# Altium PCB UltraZohm_Analog_ADS5272.PcbDoc (part 3 of 4)
Units mm, origin at the board's own origin, x right, y up, seen from the top; angles counter-clockwise.
Board outline 156.02 x 100.09 mm, 6 copper layers (Top Layer, AGND, VCC, GND, Signal 1, Bottom Layer), stack 1.58 mm thick; 321 components, 279 nets, 1409 pads, 548 vias.
Unrouted connection lines stored in the file: 181.
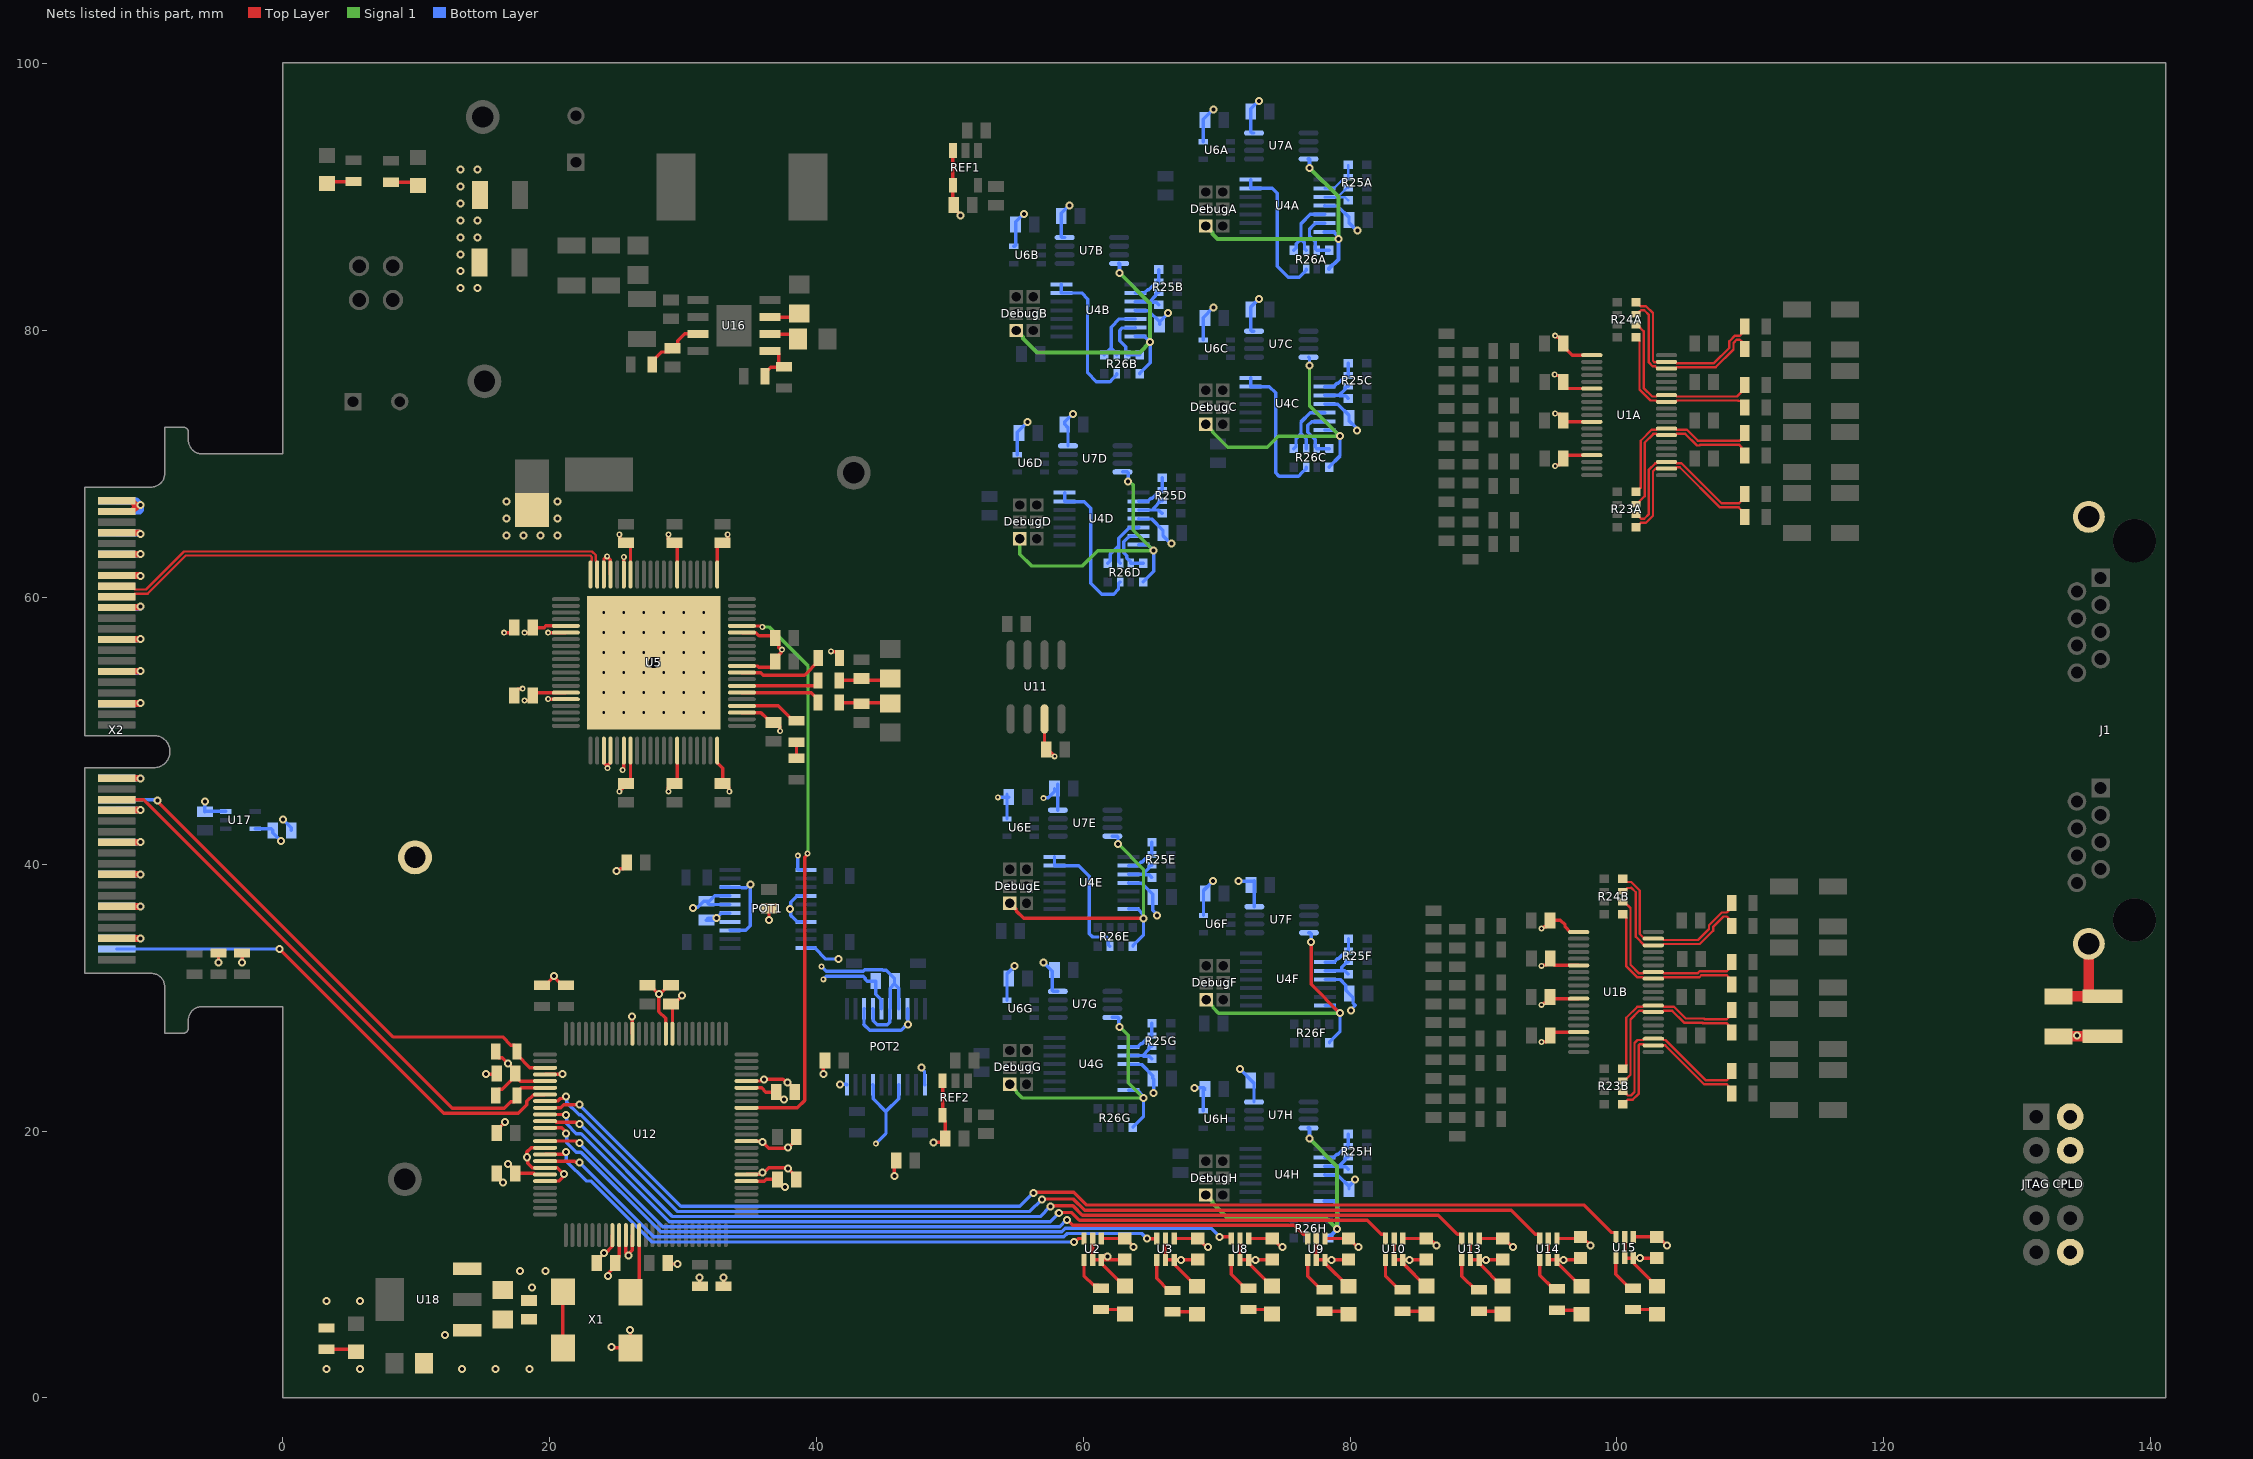
[diagram p7: the nets of this part, all layers, seen from the top]

## Via types
v1: diameter 0.6, hole 0.3, Top Layer to Bottom Layer, tented both sides, 338 vias
v2: diameter 0.45, hole 0.2, Top Layer to Bottom Layer, tented both sides, 182 vias
v3: diameter 0.45, hole 0.2, Top Layer to Bottom Layer, tented bottom, 16 vias
v4: diameter 0.5, hole 0.2, Top Layer to Bottom Layer, tented both sides, 6 vias
v5: diameter 0.8, hole 0.4, Top Layer to Bottom Layer, tented both sides, 4 vias
v6: diameter 0.45, hole 0.2, Top Layer to Bottom Layer, 2 vias

## Nets (pads, with @x,y where several pads share a name; then routed paths per layer and width w, separated by ;. In a path a pad name is that pad's centre, name@x,y a point inside that pad or via, vN(x,y) a via of type N, cw(c..) or ccw(c..) an arc to the next point about the centre after c; other vN are vias at no path point) (continued)
AVCC: BS2.2 C15.1 C16.1 C17.1 C18.1 C19.1 C20.1 C21.1 C22.1 C23.1 C36A.1 C36B.1 C37A.1 C37B.1 C38A.1 C38B.1 C39A.1 C39B.1 C40.1 C68A.1 C68B.1 C68C.1 C68D.1 C68E.1 C68F.1 C68G.1 C68H.1 C69A.1 C69B.1 C69C.1 C69D.1 C69E.1 C69F.1 C69G.1 C69H.1 C70A.1 C70B.1 C70C.1 C70D.1 C70E.1 C70F.1 C70G.1 C70H.1 C73.1 C76.1 POT1.1 POT1.10 POT1.13 POT1.18 POT2.1 POT2.10 POT2.13 POT2.18 R16.2 REF1.3 REF1.4 REF2.3 REF2.4 U1A.20 U1A.25 U1A.30 U1A.35 U1B.20 U1B.25 U1B.30 U1B.35 U4A.4 U4B.4 U4C.4 U4D.4 U4E.4 U4F.4 U4G.4 U4H.4 U5.1 U5.7 U5.14 U5.47 U5.54 U5.60 U5.63 U5.70 U5.75 U6A.5 U6B.5 U6C.5 U6D.5 U6E.5 U6F.5 U6G.5 U6H.5 U7A.8 U7B.8 U7C.8 U7D.8 U7E.8 U7F.8 U7G.8 U7H.8 U11.7 | length 166.6
  Top Layer w0.254: v2(25.222,45.447) 26.063,46.288 U5.47@26.063,48.518 ; v2(25.222,64.721) 25.257,64.686 25.257,64.362 25.53,64.089 C17.1@25.73,64.089 25.79,64.089 26.063,63.816 U5.14@26.063,61.718 ; v2(28.906,45.447) 28.906,45.782 29.179,46.055 C19.1@29.35,46.055 29.563,46.268 U5.54@29.563,48.518 ; v2(28.906,64.721) 28.906,64.362 29.179,64.089 C16.1@29.35,64.089 29.563,63.876 U5.7@29.563,61.718 ; U5.60@32.563,48.518 32.563,47.618 32.969,47.212 C20.1@32.969,46.055 33.169,46.055 33.442,45.782 33.442,45.482 v2(33.477,45.447) ; U5.1@32.563,61.718 32.563,63.816 32.836,64.089 C15.1@32.969,64.089 33.077,64.089 33.35,64.362 v2(33.35,64.721) ; U5.63@34.413,51.368 35.844,51.368 36.306,50.906 36.306,50.9 36.579,50.627 C21.1@36.779,50.627 36.979,50.627 37.252,50.354 37.252,50.024 v2(37.287,49.989) ; U5.70@34.413,54.868 34.422,54.859 35.571,54.859 35.661,54.769 36.63,54.769 36.903,55.042 C22.1@36.903,55.199 36.903,55.399 37.377,55.873 37.377,56.048 v2(37.414,56.085) 37.361,56.085 37.212,56.234 37.179,56.234 37.179,56.704 C23.1@36.906,56.977 36.753,57.13 35.692,57.13 35.463,57.359 34.422,57.359 U5.75@34.413,57.368 ; v2(41.097,55.958) 41.129,55.926 41.509,55.926 41.732,55.703 R16.2@41.732,55.453 ; v1(48.768,19.146) 49.384,19.146 49.657,19.419 C76.1@49.657,19.431 49.657,20.741 49.469,20.929 REF2.4@49.469,21.179 REF2.3@49.469,23.779 ; REF1.3@50.231,93.502 REF1.4@50.231,90.902 50.231,89.466 C73.1@50.289,89.408 50.289,89.208 50.8,88.697 v1(50.8,88.646) ; U11.7@57.099,50.894 57.099,48.846 v2(57.861,48.084) ; v2(94.361,26.67) 94.377,26.686 94.726,26.686 94.999,26.959 C39B.1@94.999,27.159 95.258,27.418 U1B.35@97.137,27.418 ; v2(94.361,29.464) 94.399,29.502 94.46,29.502 94.523,29.565 94.723,29.565 94.996,29.838 C38B.1@94.996,30.038 95.116,29.918 U1B.30@97.137,29.918 ; v2(94.361,32.385) 94.399,32.423 94.505,32.423 94.526,32.443 94.726,32.443 C37B.1@94.999,32.716 ; v2(94.361,35.179) 94.414,35.179 94.557,35.322 94.723,35.322 94.996,35.595 C36B.1@94.996,35.795 95.777,35.795 96.119,35.453 96.119,35.298 96.5,34.918 U1B.20@97.137,34.918 ; C37B.1@94.999,32.916 C37B.1@94.999,32.716 ; v2(95.339,76.708) 95.376,76.67 95.477,76.67 95.514,76.633 95.714,76.633 95.987,76.36 C37A.1@95.987,76.16 95.987,75.96 96.285,75.662 U1A.25@98.125,75.662 ; v2(95.377,69.85) 95.43,69.85 95.51,69.93 95.714,69.93 95.987,70.203 C39A.1@95.987,70.403 96.246,70.662 U1A.35@98.125,70.662 ; v2(95.377,73.787) 95.409,73.755 95.711,73.755 95.984,73.482 C38A.1@95.984,73.282 96.104,73.162 U1A.30@98.125,73.162 ; v2(95.377,79.629) 95.43,79.629 95.547,79.512 95.711,79.512 95.984,79.239 C36A.1@95.984,79.039 95.984,78.839 96.661,78.162 U1A.20@98.125,78.162 ; U1B.25@97.137,32.418 95.298,32.418 C37B.1@94.999,32.716
  Bottom Layer w0.254: POT1.18@32.869,38.281 POT1.18@33.519,38.281 33.542,38.258 34.381,38.258 34.395,38.244 34.73,38.244 34.967,38.481 v1(35.052,38.481) 35.052,35.389 34.705,35.042 33.529,35.042 POT1.13@33.519,35.031 ; v2(38.608,40.64) 38.608,39.604 38.631,39.581 POT1.1@39.219,39.581 ; POT1.10@39.219,33.731 39.869,33.731 40.707,32.893 v1(41.656,32.893) ; v1(41.783,23.495) 42.254,23.495 42.277,23.472 POT2.10@42.277,23.465 ; POT2.13@43.577,29.165 43.569,29.156 43.569,27.994 43.561,27.986 43.988,27.559 46.342,27.559 46.769,27.986 v1(46.863,27.986) 46.845,28.004 46.845,29.147 POT2.18@46.827,29.165 ; v1(47.879,24.765) 47.879,24.671 48.104,24.446 48.104,23.488 POT2.1@48.127,23.465 ; v2(53.594,45.013) C70E.1@54.285,45.013 ; U6G.5@54.285,29.805 54.285,31.806 v1(54.864,32.385) ; U6E.5@54.285,43.394 C70E.1@54.285,45.013 ; C70E.1@54.285,45.268 C70E.1@54.285,45.013 ; C70E.1@54.421,45.03 54.404,45.013 C70E.1@54.285,45.013 ; U6B.5@54.793,86.32 54.856,86.32 54.929,86.393 C70B.1@54.929,87.956 54.929,88.156 55.53,88.757 v1(55.552,88.757) ; U6D.5@55.047,70.699 55.047,72.377 v1(55.806,73.136) ; v1(57.023,32.639) 57.673,31.989 57.673,30.533 57.74,30.466 U7G.8@58.096,30.466 ; v2(57.023,44.958) 57.061,44.996 57.381,44.996 57.85,45.465 C69E.1@57.85,45.665 ; U7E.8@58.096,44.055 C69E.1@58.096,45.995 ; U7B.8@58.604,86.981 58.425,86.981 58.358,87.048 C69B.1@58.358,88.591 58.358,88.791 58.959,89.392 v1(58.981,89.392) ; U7D.8@58.858,71.36 58.858,72.724 C69D.1@58.612,72.97 58.612,73.17 59.183,73.741 v1(59.221,73.741) ; U4G.4@63.398,25.009 63.421,24.986 64.378,24.986 65.216,24.148 C68G.1@65.216,23.948 65.278,23.886 v1(65.278,22.86) ; U4E.4@63.398,38.598 63.421,38.575 64.378,38.575 65.216,37.737 C68E.1@65.216,37.537 65.216,36.556 65.532,36.24 v1(65.532,36.149) ; U4B.4@63.906,81.524 63.929,81.501 64.886,81.501 C68B.1@65.724,80.663 ; U4D.4@64.16,65.903 64.183,65.88 65.14,65.88 65.978,65.042 C68D.1@65.978,64.842 65.978,64.642 66.579,64.041 v1(66.601,64.041) ; C68B.1@65.724,80.463 C68B.1@65.724,80.663 ; v1(66.359,81.332) 66.359,81.298 C68B.1@65.724,80.663 ; v1(68.326,23.241) 69.038,23.241 C70H.1@69.128,23.151 68.992,23.015 U6H.5@68.992,21.515 ; U6C.5@68.992,79.3 68.992,80.977 v1(69.751,81.737) ; U6A.5@68.992,94.159 68.992,95.836 v1(69.751,96.596) ; U6F.5@69.017,36.155 69.017,38.029 v1(69.723,38.735) ; v1(71.628,38.735) 72.807,38.735 72.828,38.756 U7F.8@72.828,36.816 ; v1(71.755,24.638) 72.803,23.59 U7H.8@72.803,22.176 ; U7C.8@72.803,79.961 72.625,79.961 72.557,80.028 C69C.1@72.557,81.571 72.557,81.771 73.158,82.372 v1(73.18,82.372) ; U7A.8@72.803,94.82 72.625,94.82 72.557,94.887 C69A.1@72.557,96.43 72.557,96.63 73.158,97.231 v1(73.18,97.231) ; U4H.4@78.105,16.719 78.128,16.696 79.085,16.696 C68H.1@79.923,15.858 ; U4C.4@78.105,74.504 78.128,74.481 79.085,74.481 79.923,73.643 C68C.1@79.923,73.443 79.923,73.243 80.452,72.714 80.452,72.583 v1(80.518,72.517) ; U4A.4@78.105,89.363 78.128,89.34 79.081,89.34 79.923,88.498 C68A.1@79.923,88.298 79.923,88.098 80.524,87.497 v1(80.546,87.497) ; U4F.4@78.13,31.359 79.258,31.359 79.675,30.942 79.675,30.571 C68F.1@79.948,30.298 80.221,30.025 80.221,29.601 80.391,29.431 80.083,29.123 v1(80.083,29.029) ; C68H.1@79.923,15.658 C68H.1@79.923,15.858 ; v1(80.391,16.383) 80.391,16.326 C68H.1@79.923,15.858
  other v1: 13.335,88.265 14.605,88.265 13.335,89.535 13.335,90.805 13.335,92.075 14.605,92.075
COLLECTIVE_FLT: U12.82 X2.78 | length 38
  Top Layer w0.254: v1(-0.254,33.655) 12.065,21.336 17.653,21.336 18.288,21.971 18.288,22.225 18.796,22.733 19.651,22.733 U12.82@19.66,22.742
  Bottom Layer w0.254: X2.78@-12.453,33.642 -0.267,33.642 v1(-0.254,33.655)
CPLD_CLOCK: U12.12 X1.3 | length 4.5
  Top Layer w0.254: X1.3@26.067,7.92 26.71,8.563 U12.12@26.71,12.192
CS: U5.76 U12.42 | length 43.5
  Top Layer w0.254: U5.76@34.413,57.868 34.422,57.859 35.814,57.859 35.888,57.785 v2(35.941,57.785) ; U12.42@34.76,21.742 38.57,21.742 39.116,22.288 39.116,40.533 39.333,40.751 v2(39.333,40.804)
  Signal 1 w0.254: v2(35.941,57.785) 36.449,57.785 39.37,54.864 39.37,40.84 v2(39.333,40.804)
DVCC: "JTAG CPLD.4" BS1.1 C3.1 C4.1 C5.1 C6.1 C7.1 C9.1 C10.1 C11.1 C12.1 C24.1 C25.1 C30.1 C31.1 C32.1 C33.1 C34.1 C44.1 C53.1 C59.1 C63.1 C87.1 POT1.16 POT1.17 POT2.14 POT2.16 POT2.17 R1.1 R2.1 R12.1 R13.2 R21.1 R22.1 U2.4 U3.4 U5.25 U5.35 U8.4 U9.4 U10.4 U12.9 U12.31 U12.45 U12.59 U12.80 U12.94 U13.4 U14.4 U15.4 U17.5 U18.3 X1.1 X1.4 | length 81.9
  Top Layer w0.254: v1(-3.048,32.639) R13.2@-3.048,33.35 ; R21.1@15.958,22.663 15.958,22.913 16.181,23.136 16.453,23.136 C44.1@17.431,24.114 ; R22.1@15.958,25.965 15.958,25.715 16.181,25.492 16.453,25.492 v1(16.871,25.074) 17.431,24.514 C44.1@17.431,24.314 C44.1@17.431,24.114 ; v1(16.891,17.526) 16.925,17.526 17.431,17.021 C53.1@17.431,16.821 18.818,16.821 18.897,16.742 U12.94@19.66,16.742 ; v2(18.11,52.275) 18.472,52.275 18.745,52.548 C25.1@18.745,52.659 18.954,52.868 U5.35@21.213,52.868 ; v2(18.11,57.355) 18.472,57.355 18.745,57.628 C24.1@18.745,57.739 19.595,57.739 19.724,57.868 U5.25@21.213,57.868 ; R2.1@19.431,30.937 19.681,30.937 20.148,31.404 20.148,31.451 v1(20.32,31.623) 20.32,31.576 20.959,30.937 R1.1@21.209,30.937 ; U12.80@19.66,23.742 17.803,23.742 C44.1@17.431,24.114 ; X1.1@20.987,3.74 X1.4@20.987,7.94 ; v1(24.384,9.144) 24.384,9.347 24.927,9.89 C31.1@24.927,10.09 24.927,10.29 25.21,10.573 U12.9@25.21,12.192 ; U12.59@29.21,27.292 29.21,29.423 C34.1@29.115,29.518 29.315,29.518 29.916,30.119 v1(29.916,30.141) ; v1(31.242,9.017) 31.274,8.985 R12.1@31.274,8.363 ; U12.31@34.76,16.242 36.094,16.242 36.236,16.383 C32.1@37.081,16.383 37.081,16.183 37.354,15.91 37.444,15.91 37.56,15.794 v1(37.654,15.794) ; U12.45@34.76,23.242 34.768,23.233 35.888,23.233 36.205,22.917 C33.1@36.986,22.917 36.986,22.717 37.259,22.444 37.373,22.444 37.465,22.352 v1(37.559,22.352) ; U2.4@61.357,11.941 C3.1@63.119,11.941 63.169,11.941 63.754,11.356 v1(63.754,11.303) ; U3.4@66.818,11.941 C4.1@68.58,11.941 68.63,11.941 69.268,11.303 v1(69.342,11.303) ; U8.4@72.405,11.94 C5.1@74.167,11.94 ; C5.1@74.168,11.941 74.218,11.941 74.856,11.303 v1(74.93,11.303) ; U9.4@78.12,11.94 C6.1@79.882,11.94 ; C6.1@79.883,11.941 79.933,11.941 80.571,11.303 v1(80.645,11.303) ; U10.4@83.962,11.94 85.977,11.94 v1(86.487,11.43) ; U13.4@89.677,11.94 91.565,11.94 v1(92.202,11.303) ; U14.4@95.519,11.94 97.534,11.94 v1(98.044,11.43) ; U15.4@101.234,12.067 103.122,12.067 v1(103.759,11.43)
  Bottom Layer w0.254: U17.5@-2.065,42.657 -0.874,42.657 C87.1@-0.762,42.545 -0.762,42.345 -0.161,41.744 v1(-0.139,41.744) ; v1(30.734,36.703) 30.8,36.769 31.105,36.769 31.55,37.214 C10.1@31.75,37.214 ; POT1.16@33.519,36.981 31.983,36.981 C10.1@31.75,37.214 ; POT1.17@33.519,37.631 32.367,37.631 31.95,37.214 C10.1@31.75,37.214 ; v2(40.376,32.336) 40.727,31.984 43.504,31.984 43.616,32.096 44.955,32.096 45.008,32.043 45.249,32.043 45.85,31.442 C59.1@45.85,31.242 C59.1@45.85,31.042 ; POT2.14@44.227,29.165 44.25,29.142 44.25,28.267 44.552,27.965 45.317,27.965 45.504,28.152 45.504,29.142 POT2.16@45.527,29.165 45.527,30.719 C59.1@45.85,31.042 ; POT2.17@46.177,29.165 46.177,30.715 C59.1@45.85,31.042
  other v1: 18.669,8.255 17.78,9.525 19.685,9.525 13.335,83.185 14.605,83.185 13.335,84.455 13.335,85.725 13.335,86.995 14.605,86.995
FB: R35.1 R36.2 U16.5 | length 3.8
  Top Layer w0.254: R36.2@36.144,76.581 36.144,76.831 36.573,77.26 37.511,77.26 R35.1@37.554,77.303 37.395,77.303 37.172,77.526 37.172,78.297 36.999,78.47 U16.5@36.524,78.47
FB1A_N: R24A.3 R50A.1 U1A.17 | length 13.9
  Top Layer w0.178: R24A.3@101.445,81.217 101.545,81.217 101.706,81.378 101.706,81.423 101.81,81.527 102.061,81.527 102.404,81.184 102.404,77.612 102.687,77.329 102.875,77.329 103.042,77.162 U1A.17@103.725,77.162 104.408,77.162 104.506,77.26 107.409,77.26 108.746,78.597 108.746,79.084 108.984,79.323 109.236,79.323 109.34,79.218 109.34,78.887 R50A.1@109.601,78.626
FB1A_P: R24A.4 R51A.1 U1A.18 | length 13.8
  Top Layer w0.178: R24A.4@101.445,82.142 101.475,82.142 101.785,81.832 102.188,81.832 102.709,81.311 102.709,77.738 102.813,77.634 102.961,77.634 102.965,77.639 103.702,77.639 U1A.18@103.725,77.662 104.408,77.662 104.506,77.564 107.282,77.564 108.441,78.723 108.441,79.211 108.858,79.627 109.231,79.627 109.335,79.732 109.335,80.065 R51A.1@109.596,80.326
FB1B_N: R24B.3 R50B.1 U1B.17 | length 13.5
  Top Layer w0.178: R24B.3@100.457,37.973 100.557,37.973 100.802,38.218 101.083,38.218 101.092,38.227 101.417,37.902 101.417,34.571 102.07,33.918 U1B.17@102.737,33.918 103.42,33.918 103.518,34.015 106.22,34.015 107.216,35.011 107.216,35.298 107.997,36.078 108.248,36.078 108.352,35.974 108.352,35.643 R50B.1@108.613,35.382
FB1B_P: R24B.4 R51B.1 U1B.18 | length 13.5
  Top Layer w0.178: R24B.4@100.457,38.898 100.688,38.667 101.083,38.667 101.721,38.029 101.721,34.766 102.07,34.418 U1B.18@102.737,34.418 103.42,34.418 103.518,34.32 106.094,34.32 106.911,35.138 106.911,35.424 107.87,36.383 108.243,36.383 108.347,36.487 108.347,36.821 R51B.1@108.608,37.082
FB2A_N: R24A.1 R44A.1 U1A.12 | length 12.7
  Top Layer w0.178: R24A.1@101.445,79.492 101.475,79.492 101.706,79.261 101.706,75.586 102.532,74.76 102.944,74.76 103.042,74.662 U1A.12@103.725,74.662 104.408,74.662 104.506,74.76 109.079,74.76 109.115,74.724 109.34,74.724 109.601,74.463 R44A.1@109.601,74.238
FB2A_P: R24A.2 R45A.1 U1A.13 | length 13.4
  Top Layer w0.178: R24A.2@101.445,80.417 101.545,80.417 102.011,79.951 102.011,75.712 102.658,75.064 102.944,75.064 103.042,75.162 U1A.13@103.725,75.162 104.408,75.162 104.506,75.064 109.007,75.064 109.34,75.397 109.601,75.658 R45A.1@109.601,75.908
FB2B_N: R24B.1 R44B.1 U1B.12 | length 12.7
  Top Layer w0.178: R24B.1@100.533,36.068 100.667,36.068 100.718,36.017 100.718,32.342 101.544,31.515 101.957,31.515 102.054,31.418 U1B.12@102.737,31.418 103.42,31.418 103.518,31.515 106.166,31.515 106.327,31.676 108.248,31.676 108.352,31.572 108.352,31.255 R44B.1@108.613,30.994
FB2B_P: R24B.2 R45B.1 U1B.13 | length 13.5
  Top Layer w0.178: R24B.2@100.457,37.173 100.557,37.173 101.023,36.707 101.023,32.468 101.671,31.82 101.957,31.82 102.054,31.918 U1B.13@102.737,31.918 103.42,31.918 103.518,31.82 106.039,31.82 106.2,31.981 108.248,31.981 108.352,32.085 108.352,32.403 R45B.1@108.613,32.664
FB3A_N: R23A.3 R38A.1 U1A.7 | length 13.7
  Top Layer w0.178: R23A.3@101.445,66.993 101.545,66.993 101.706,67.154 101.706,67.204 102.097,67.595 102.097,71.618 102.739,72.26 102.944,72.26 103.042,72.162 U1A.7@103.725,72.162 104.408,72.162 104.506,72.26 105.137,72.26 106.005,71.392 106.201,71.392 106.243,71.434 109.189,71.434 109.335,71.288 109.335,70.893 R38A.1@109.596,70.632
FB3A_P: R23A.4 R39A.1 U1A.8 | length 12.9
  Top Layer w0.178: R23A.4@101.445,67.918 101.475,67.918 101.792,68.236 101.792,71.744 102.613,72.564 102.944,72.564 103.042,72.662 U1A.8@103.725,72.662 104.408,72.662 104.506,72.564 105.263,72.564 106.073,71.755 109.236,71.755 109.302,71.821 109.34,71.821 109.601,72.082 R39A.1@109.601,72.332
FB3B_N: R23B.3 R38B.1 U1B.7 | length 13.7
  Top Layer w0.178: R23B.3@100.457,23.749 100.557,23.749 101.023,24.215 101.023,28.368 101.671,29.015 101.957,29.015 102.054,28.918 U1B.7@102.737,28.918 103.42,28.918 103.518,29.015 104.149,29.015 105.038,28.127 106.413,28.127 106.454,28.086 108.243,28.086 108.347,27.982 108.347,27.649 R38B.1@108.608,27.388
FB3B_P: R23B.4 R39B.1 U1B.8 | length 13.1
  Top Layer w0.178: R23B.4@100.457,24.674 100.48,24.674 100.711,24.905 100.711,28.487 101.544,29.32 101.957,29.32 102.054,29.418 U1B.8@102.737,29.418 103.42,29.418 103.518,29.32 104.276,29.32 105.164,28.432 106.54,28.432 106.58,28.391 108.248,28.391 108.352,28.495 108.352,28.827 R39B.1@108.613,29.088
FB4A_N: R23A.1 R32A.1 U1A.2 | length 13.7
  Top Layer w0.178: R23A.1@101.445,65.268 101.475,65.268 101.805,65.599 102.188,65.599 102.709,66.12 102.709,69.453 102.98,69.724 103.042,69.662 U1A.2@103.725,69.662 104.408,69.662 104.503,69.757 104.724,69.757 107.73,66.751 109.14,66.751 109.601,66.29 R32A.1@109.601,66.04
FB4A_P: R23A.2 R33A.1 U1A.3 | length 13.7
  Top Layer w0.178: R23A.2@101.445,66.193 101.545,66.193 101.706,66.032 101.706,66.008 101.81,65.904 102.061,65.904 102.404,66.246 102.404,69.58 102.889,70.064 102.944,70.064 103.042,70.162 U1A.3@103.725,70.162 104.408,70.162 104.506,70.064 104.847,70.064 107.856,67.056 109.167,67.056 109.601,67.49 R33A.1@109.601,67.74
FB4B_N: R23B.1 R32B.1 U1B.2 | length 13.9
  Top Layer w0.178: R23B.1@100.457,22.024 100.487,22.024 100.818,22.355 101.2,22.355 101.633,22.787 101.633,26.411 101.737,26.515 101.957,26.515 102.054,26.418 U1B.2@102.737,26.418 102.742,26.422 103.626,26.422 106.555,23.493 108.248,23.493 108.352,23.389 108.352,23.057 R32B.1@108.613,22.796
FB4B_P: R23B.2 R33B.1 U1B.3 | length 14
  Top Layer w0.178: R23B.2@100.457,22.949 100.557,22.949 100.718,22.788 100.718,22.764 100.822,22.659 101.074,22.659 101.328,22.913 101.328,26.604 101.544,26.82 101.957,26.82 102.054,26.918 103.42,26.918 103.518,26.82 103.659,26.82 106.681,23.798 108.248,23.798 108.352,23.902 108.352,24.235 R33B.1@108.613,24.496
FGND: C80.2 J1.S1 J1.S2 R28.1 | length 7.3
  Top Layer w0.762: R28.1@133.096,30.099 C80.2@135.501,30.099 ; J1.S1@135.382,34.036 135.382,30.218 C80.2@135.501,30.099 ; C80.2@136.398,30.099 C80.2@135.501,30.099
GND: "JTAG CPLD.2" "JTAG CPLD.10" C3.2 C4.2 C5.2 C6.2 C7.2 C9.2 C10.2 C11.2 C12.2 C24.2 C25.2 C30.2 C31.2 C32.2 C33.2 C34.2 C44.2 C53.2 C55.2 C56.2 C57.2 C58.2 C59.2 C63.2 C72.2 C80.1 C86.2 C87.2 C88.1 C89.1 C90.1 C91.1 D4.2 D5.2 D6.2 D7.2 D8.2 D9.2 D10.2 D11.2 NT1.1 POT1.4 POT1.7 POT1.14 POT1.15 POT2.4 POT2.7 POT2.15 R11.1 R15.2 R28.2 R41.1 TP2.1 U2.2 U2.3 U2.5 U3.2 U3.3 U3.5 U5.15 U5.17 U5.18 U5.26 U5.36 U5.43 U5.44 U5.46 U5.81 U8.2 U8.3 U8.5 U9.2 U9.3 U9.5 U10.2 U10.3 U10.5 U12.8 U12.10 U12.11 U12.32 U12.37 U12.46 U12.60 U12.65 U12.79 U12.90 U12.93 U12.95 U13.2 U13.3 U13.5 U14.2 U14.3 U14.5 U15.2 U15.3 U15.5 U17.3 U18.1 X1.2 X2.1 X2.2 X2.3 X2.4 X2.7 X2.8 X2.11 X2.12 X2.15 X2.16 X2.21 X2.22 X2.27 X2.28 X2.33 X2.34 X2.39 X2.40 X2.45 X2.46 X2.51 X2.52 X2.57 X2.58 X2.63 X2.64 X2.69 X2.70 X2.75 X2.76 | length 196.5
  Top Layer w0.254: v1(-4.826,32.639) R15.2@-4.826,33.35 ; v1(15.24,24.257) 15.974,24.257 C44.2@16.031,24.314 ; C53.2@16.031,16.821 16.031,16.621 16.51,16.141 v1(16.51,16.129) ; C58.2@16.034,19.869 16.034,20.069 16.635,20.67 v1(16.657,20.67) ; v2(16.586,57.355) 17.072,57.355 17.345,57.628 C24.2@17.345,57.739 ; C25.2@17.345,52.659 17.345,52.859 17.618,53.132 17.951,53.132 v2(17.983,53.164) ; U12.95@19.66,16.242 19.668,16.251 20.696,16.251 21.082,16.637 v1(21.082,16.764) 21.057,16.764 20.588,17.233 19.668,17.233 U12.93@19.66,17.242 19.651,17.251 18.69,17.251 18.354,17.587 18.354,17.968 v1(18.288,18.034) 18.266,18.056 18.266,18.393 18.606,18.733 19.651,18.733 U12.90@19.66,18.742 ; U12.79@19.66,24.242 19.667,24.249 20.947,24.249 v1(20.955,24.257) ; v2(19.888,52.389) 19.9,52.377 21.204,52.377 U5.36@21.213,52.368 ; v2(19.888,57.355) 19.895,57.362 21.207,57.362 U5.26@21.213,57.368 ; C31.2@23.527,10.09 23.527,10.29 v1(24.087,10.85) 24.189,10.85 24.701,11.362 24.701,12.183 U12.8@24.71,12.192 ; U5.43@24.063,48.518 24.063,47.606 24.296,47.373 24.296,47.233 v2(24.333,47.195) 24.371,47.233 24.371,47.413 24.563,47.606 U5.44@24.563,48.518 ; U5.18@24.063,61.718 24.072,61.727 24.072,62.878 24.273,63.078 v2(24.312,63.078) 24.554,62.836 24.554,61.727 U5.17@24.563,61.718 ; v1(24.638,3.81) 24.708,3.74 X1.2@26.067,3.74 26.067,5.048 v1(26.035,5.08) ; v1(25.019,39.497) 25.113,39.497 25.275,39.659 25.505,39.659 25.778,39.932 C88.1@25.778,40.132 ; v2(25.476,47.068) 25.476,47.121 25.554,47.199 25.554,48.509 U5.46@25.563,48.518 ; U5.15@25.563,61.718 v2(25.563,63.028) ; U12.10@25.71,12.192 25.71,10.866 v1(25.908,10.668) 25.908,10.762 26.201,11.054 26.201,12.183 U12.11@26.21,12.192 ; v1(26.162,28.575) 26.201,28.536 26.201,27.301 U12.65@26.21,27.292 ; C57.2@27.337,30.921 27.537,30.921 v1(28.194,30.263) ; v1@28.355,30.358 v1@28.26,30.263 ; U12.60@28.71,27.292 28.71,28.44 28.194,28.956 v1@28.194,30.197 ; C55.2@28.864,10.09 28.92,10.033 v1(29.591,10.033) ; C34.2@29.115,30.918 28.915,30.918 v1@28.26,30.263 ; v1(33.02,9.017) 33.052,8.985 R11.1@33.052,8.363 ; U12.32@34.76,16.742 34.768,16.751 35.737,16.751 35.864,16.878 v1(35.957,16.878) 36.051,16.878 36.41,17.237 37.805,17.237 v1(37.858,17.184) 37.88,17.184 38.481,16.583 C32.2@38.481,16.383 ; U12.37@34.76,19.242 34.768,19.233 35.885,19.233 v1(35.941,19.177) 35.958,19.177 36.431,18.704 37.805,18.704 v1(37.858,18.757) 37.88,18.757 38.481,19.358 C56.2@38.481,19.558 ; U12.46@34.76,23.742 34.768,23.751 35.849,23.751 35.974,23.876 v1(36.068,23.876) 37.498,23.876 37.752,23.622 v1(37.846,23.622) 37.88,23.622 38.386,23.117 C33.2@38.386,22.917 ; v1(36.449,35.814) C89.1@36.449,36.703 ; v1(40.513,24.257) 40.513,25.149 C90.1@40.637,25.273 ; v1(45.847,16.637) 45.847,17.653 C91.1@45.974,17.78 ; U2.5@60.706,11.94 U2.2@60.706,10.34 60.731,10.365 U2.3@61.356,10.365 ; v1(61.831,10.577) 61.684,10.724 61.623,10.663 61.429,10.663 61.356,10.59 U2.3@61.356,10.365 ; D4.2@63.119,8.38 63.069,8.38 61.432,10.017 61.429,10.017 61.356,10.09 U2.3@61.356,10.34 U2.3@61.356,10.365 ; C3.2@63.119,10.365 U2.3@61.356,10.365 ; U3.5@66.167,11.94 U3.2@66.167,10.34 U3.3@66.817,10.34 ; D5.2@68.53,8.363 68.48,8.363 66.89,9.953 66.89,10.267 U3.3@66.817,10.34 ; C4.2@68.58,10.365 68.555,10.34 v1(67.317,10.34) U3.3@66.817,10.34 ; U8.5@71.755,11.94 U8.2@71.755,10.34 U8.3@72.405,10.34 ; D6.2@74.168,8.38 74.118,8.38 72.481,10.017 72.478,10.017 72.405,10.09 U8.3@72.405,10.34 ; C5.2@74.168,10.365 74.143,10.34 v1(72.905,10.34) U8.3@72.405,10.34 ; U9.5@77.47,11.94 U9.2@77.47,10.34 U9.3@78.12,10.34 ; C6.2@79.883,10.365 79.858,10.34 v1(78.62,10.34) U9.3@78.12,10.34 ; D7.2@79.903,8.363 79.853,8.363 78.199,10.017 78.193,10.017 78.12,10.09 U9.3@78.12,10.34 ; U10.5@83.312,11.94 U10.2@83.312,10.34 U10.3@83.962,10.34 ; C7.2@85.725,10.378 85.687,10.34 v1(84.462,10.34) U10.3@83.962,10.34 ; D8.2@85.733,8.38 85.683,8.38 84.046,10.017 84.035,10.017 83.962,10.09 U10.3@83.962,10.34 ; U13.5@89.027,11.94 U13.2@89.027,10.34 U13.3@89.677,10.34 ; D9.2@91.44,8.38 91.39,8.38 89.753,10.017 89.75,10.017 89.677,10.09 U13.3@89.677,10.34 ; C9.2@91.44,10.365 91.415,10.34 v1(90.177,10.34) U13.3@89.677,10.34 ; U14.5@94.869,11.94 U14.2@94.869,10.34 U14.3@95.519,10.34 ; C11.2@97.282,10.492 97.13,10.34 v1(96.019,10.34) U14.3@95.519,10.34 ; D10.2@97.348,8.363 97.298,8.363 95.644,10.017 95.592,10.017 95.519,10.09 U14.3@95.519,10.34 ; U15.5@100.584,12.067 U15.2@100.584,10.467 U15.3@101.234,10.467 ; C12.2@102.997,10.492 102.972,10.467 v1(101.734,10.467) U15.3@101.234,10.467 ; D11.2@103.028,8.363 102.978,8.363 101.307,10.034 101.307,10.394 U15.3@101.234,10.467 ; v1@28.194,30.197 v1@28.26,30.263 ; v1@28.194,30.197 v1(28.194,30.263) ; v1(28.194,30.263) v1@28.26,30.263